# KiCad board KB-PCB-R02_KiCad.kicad_pcb (continued)
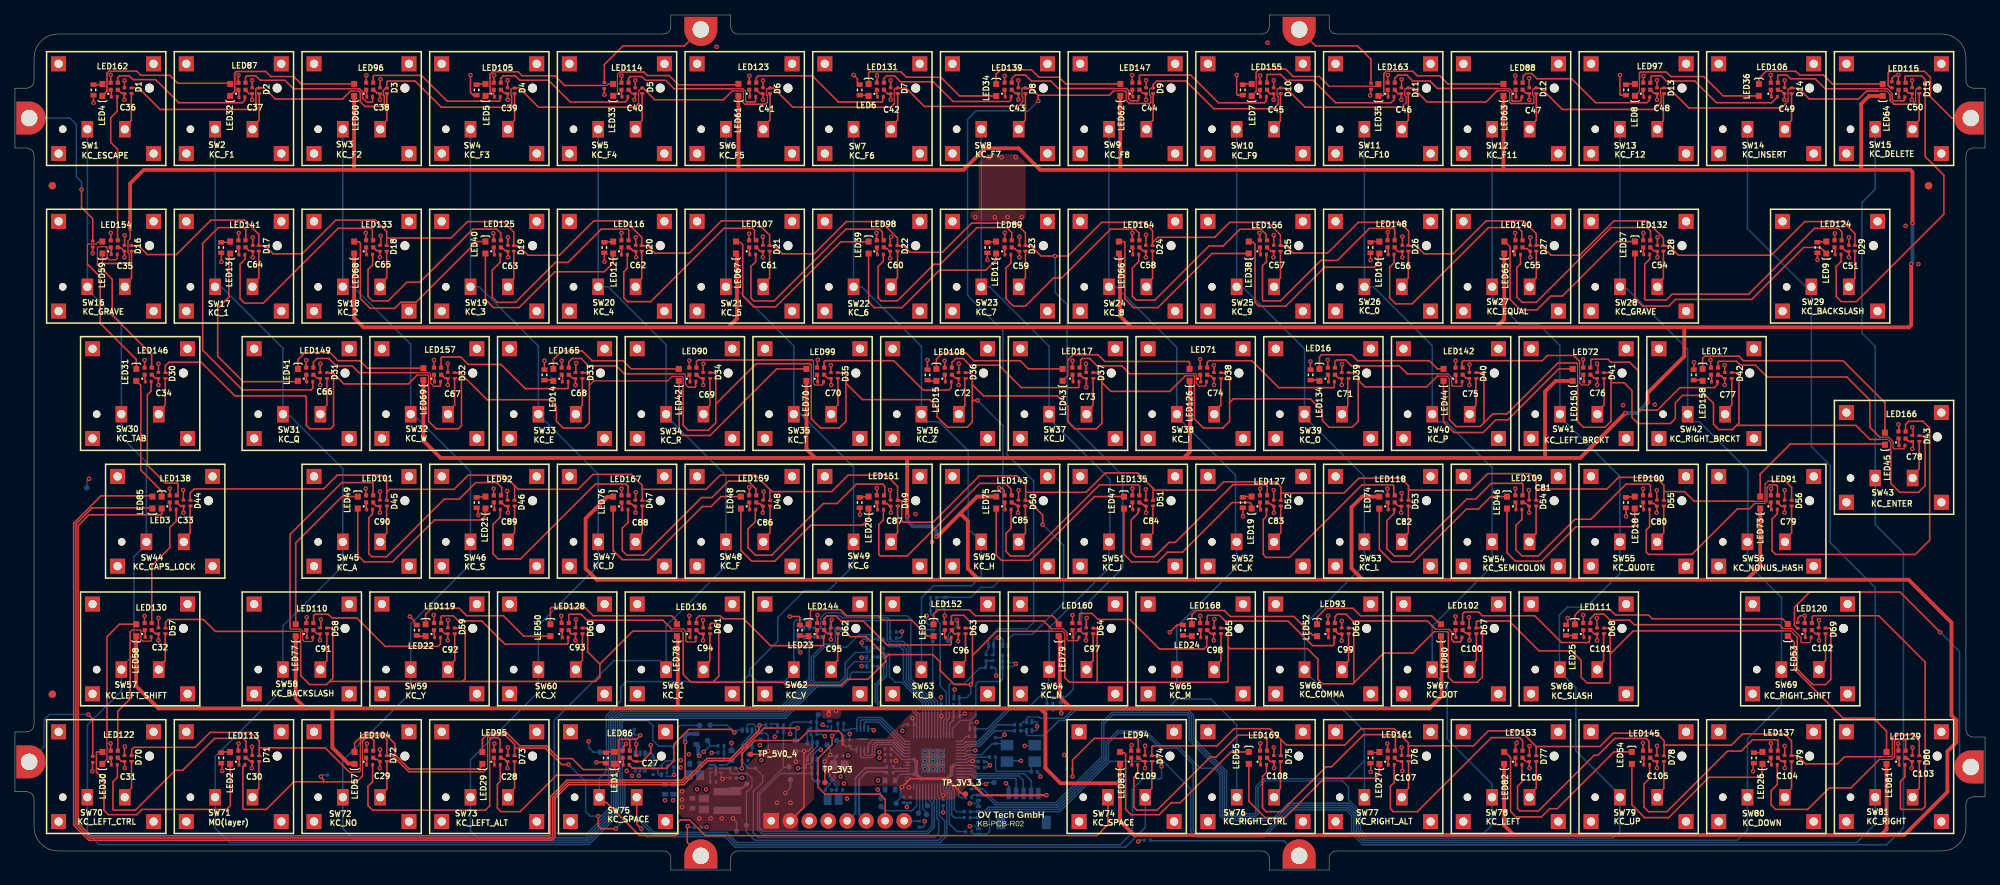
[diagram p0: board, top side]
## Routing (per net, layer and track width the routed paths; a pad name or vN(x,y) marks a point on that pad's centre or on a via; arc(x,y) is an arc through that point) (continued)
NetLED119_3: length 20.4
  SIG_TOP w0.2: 56.97,32.88 56.97,33.88 57.09,34 58.61,34 59.3,33.31 62.4,33.31 65.5,30.21 73.85,30.21 73.96,30.32 R97.2
NetLED120_1: length 1
  SIG_TOP w0.2: R90.1 239.38,32 LED120.1
NetLED120_3: length 47.5
  SIG_TOP w0.2: LED120.3 240.3,33.09 240.3,33.89 240.42,34.01 249.2,34.01 255.4,27.81 255.4,8.51 255,8.11 252.22,8.11 252.1,8.22 252.1,11.87 252.7,12.47 252.7,14.11
NetLED122_1: length 0.9
  SIG_TOP w0.2: 12.8,14.93 12.88,14.85 12.88,14.11
NetLED122_3: length 21.2
  SIG_TOP w0.15: 15.4,31.86 15.63,32.09 16.75,32.09 16.86,31.98 16.86,30.85 17.11,30.61 18.13,30.61 18.25,30.73 18.25,31.04
  SIG_TOP w0.2: LED122.3 13.75,21.24 15.4,22.89 15.4,31.86
NetLED123_1: length 1
  SIG_TOP w0.2: LED123.1 98.25,104.25 R92.1
NetLED123_3: length 19.8
  SIG_TOP w0.2: LED123.3 99.12,105.93 99.39,106.21 106.6,106.21 110.1,102.71 115.91,102.71 116.03,102.82 116.03,103.34 R100.2
NetLED124_1: length 0.8
  SIG_TOP w0.2: 243.37,82.36 243.37,83.09 243.3,83.16
NetLED124_3: length 38
  SIG_TOP w0.2: R101.2 218.57,81.68 217.9,81.01 217.9,76.35 218.02,76.24 220.8,76.24 221.57,77.01 231.8,77.01 240.6,85.81 243.8,85.81 244.25,85.35 244.25,84.15
NetLED125_1: length 1
  SIG_TOP w0.2: 63.87,83.22 63.87,83.21 ; LED125.1 64.06,83.22 64.06,82.33 R94.1
NetLED125_3: length 29
  SIG_TOP w0.2: R102.2 47.82,80.93 47.2,80.31 47.2,76.71 47.8,76.11 49.9,76.11 52.4,78.61 54.13,78.61 61.23,85.71 64.4,85.71 64.97,85.14 LED125.3
NetLED126_1: length 1
  SIG_TOP w0.2: LED126.1 158.54,66.15 R95.1
NetLED126_3: length 20
  SIG_TOP w0.2: R103.2 176.4,64.62 176.29,64.51 168.97,64.51 165.37,68.11 159.6,68.11 159.41,67.92 LED126.3
NetLED127_1: length 0.8
  SIG_TOP w0.2: 166.48,49.04 166.48,49.04 166.48,48.24 166.47,48.24
NetLED127_3: length 30
  SIG_TOP w0.2: 167.43,49.99 167.43,51.42 167.31,51.53 162.85,51.53 155.12,43.81 154.3,43.81 152.4,41.91 149.8,41.91 149.23,42.47 149.23,46.79 150.19,47.74 150.19,48.1 150.26,48.17
NetLED128_1: length 1
  SIG_TOP w0.2: R97.1 73.17,32 LED128.1
NetLED128_3: length 20.9
  SIG_TOP w0.15: R105.2 91.04,30.62 90.92,30.51 89.81,30.51 89.69,30.62 89.69,31.91 89.36,32.25 87.78,32.25
  SIG_TOP w0.2: 87.78,32.25 86.63,33.41 76.5,33.41 75.7,34.21 74.16,34.21 74.04,34.09 LED128.3
NetLED129_1: length 0.7
  SIG_TOP w0.2: 251.91,14.11 251.91,14.77
NetLED129_3: length 30.5
  SIG_TOP w0.15: 251.3,17.34 251.3,15.14 250.95,14.79 249.29,14.79
  SIG_TOP w0.2: 251.3,17.34 251.42,17.46 252.66,17.46 252.78,17.34 252.78,15.99 ; R106.2 235.63,11.44 234.8,10.61 234.8,8.71 235.4,8.11 239.7,8.11 242.58,10.99 245.48,10.99 249.29,14.79
NetLED130_1: length 1
  SIG_TOP w0.2: R99.1 17.42,32 LED130.1
NetLED130_3: length 16.5
  SIG_TOP w0.2: LED130.3 18.29,40.69 20.7,43.11 20.7,45.81 21.56,46.66 R107.2
NetLED131_1: length 0.9
  SIG_TOP w0.2: R100.1 115.24,103.49 115.24,104.27
NetLED131_3: length 19.7
  SIG_TOP w0.2: 116.19,105.22 116.19,105.86 116.54,106.21 117.6,106.21 118.4,105.41 122.78,105.41 125.41,102.77 132.96,102.77 133.17,102.98 133.17,103.39 R108.2
NetLED132_1: length 1
  SIG_TOP w0.2: R101.1 217.74,82.36 217.74,83.22 LED132.1
NetLED132_3: length 29.6
  SIG_TOP w0.2: 218.68,84.18 218.68,85.43 218.2,85.91 213.4,85.91 203.4,75.91 201.52,75.91 200.8,76.63 200.8,80.56 201.29,81.06 R109.2
NetLED133_1: length 1
  SIG_TOP w0.2: LED133.1 46.95,82.39 R102.1
NetLED133_3: length 29.9
  SIG_TOP w0.2: 47.79,84.03 47.79,85.61 47.6,85.81 43.2,85.81 33.2,75.81 30.7,75.81 30.1,76.41 30.1,81.01 30.78,81.69 30.78,82.25
NetLED134_1: length 1
  SIG_TOP w0.2: 175.7,65.31 175.67,65.35 175.67,66.19 175.63,66.23
NetLED134_3: length 20.5
  SIG_TOP w0.15: 190.2,66.34 191.59,66.34 192.09,65.84 192.09,64.81 192.21,64.7 193.37,64.7 193.48,64.81 R111.2
  SIG_TOP w0.2: LED134.3 176.48,67.99 176.7,68.21 177.9,68.21 178.7,67.41 185.1,67.41 186.16,66.34 190.2,66.34
NetLED135_1: length 0.9
  SIG_TOP w0.2: 149.43,49.03 149.43,48.22 149.47,48.17
NetLED135_3: length 29.4
  SIG_TOP w0.2: R112.2 133.18,45.69 132.5,45.01 132.5,42.61 133.1,42.01 135.5,42.01 145,51.51 150.2,51.51 150.37,51.33 150.37,49.98
NetLED136_1: length 1
  SIG_TOP w0.2: 90.32,31.11 90.32,31.93 LED136.1
NetLED136_3: length 20.5
  SIG_TOP w0.2: LED136.3 91.12,33.62 91.5,34.01 94.3,34.01 94.7,33.61 97.41,33.61 101.01,30.01 107.99,30.01 108.11,30.12 R113.2
NetLED137_1: length 0.8
  SIG_TOP w0.2: 234.79,14.02 234.8,14.03 234.8,14.79 234.8,14.8
NetLED137_3: length 29.6
  SIG_TOP w0.2: R114.2 218.56,12.26 217.8,11.51 217.8,8.41 218.4,7.81 220.88,7.81 228.98,15.91 230.8,15.91 232.31,17.41 235.68,17.41 235.71,17.39 LED137.3
NetLED138_1: length 1
  SIG_TOP w0.2: R107.1 20.77,49.08 LED138.1
NetLED138_3: length 18.1
  SIG_TOP w0.2: LED138.3 21.8,50.27 21.8,51.62 21.68,51.74 20.1,51.74 17.7,54.14 17.7,63.54 18.21,64.05 R115.2
NetLED139_1: length 0.9
  SIG_TOP w0.2: R108.1 132.4,104.16 132.33,104.23 132.24,104.23
NetLED139_3: length 20.3
  SIG_TOP w0.15: 147.02,104.5 148.65,104.5
  SIG_TOP w0.2: 148.65,104.5 148.91,104.24 148.91,103.12 149.17,102.86 150.12,102.86 150.23,102.98 150.23,103.38 R116.2 ; 147.02,104.5 139.5,104.5 138.5,105.51 135.9,105.51 135.1,106.31 133.75,106.31 133.27,105.82 LED139.3
NetLED140_1: length 0.8
  SIG_TOP w0.2: 200.53,83.13 200.52,83.12 200.52,82.32 R109.1
NetLED140_3: length 29.8
  SIG_TOP w0.2: 201.47,84.08 201.47,85.39 200.96,85.91 197,85.91 186.8,75.71 184.6,75.71 183.8,76.51 183.8,80.61 184.39,81.19 R117.2
NetLED141_1: length 1
  SIG_TOP w0.2: LED141.1 29.91,83.22 29.91,82.32 R110.1
NetLED141_3: length 40.5
  SIG_TOP w0.2: 30.87,84.08 30.87,85.63 30.6,85.91 27.2,85.91 25.1,83.81 25.1,69.51 30.4,64.21 39.58,64.21 39.82,64.44 R118.2
NetLED142_1: length 0.9
  SIG_TOP w0.2: R111.1 192.69,66.05 192.62,66.13 192.58,66.13
NetLED142_3: length 21.9
  SIG_TOP w0.15: R119.2 210.46,65.21 210.46,64.95 210.37,64.86 209.49,64.86 209.2,65.16 209.2,67.79
  SIG_TOP w0.2: 193.47,67.08 193.47,67.92 193.66,68.11 204.2,68.11 204.9,68.81 208.4,68.81 209.2,68.01 209.2,67.79
NetLED143_1: length 0.9
  SIG_TOP w0.2: R112.1 132.39,48.95 132.32,49.03
NetLED143_3: length 29.3
  SIG_TOP w0.2: R120.2 116.11,46.82 115.5,46.21 115.5,42.21 115.7,42.01 119.3,42.01 129,51.71 132.41,51.71 133.17,50.94 133.17,49.98
NetLED144_1: length 0.9
  SIG_TOP w0.2: 107.23,32.03 107.23,31.3 107.33,31.19 107.33,31.14
NetLED144_3: length 20.3
  SIG_TOP w0.2: R121.2 125.18,30.22 125.07,30.11 116.6,30.11 113.4,33.31 110.44,33.31 109.74,34.01 108.57,34.01 108.17,33.61 108.17,32.98
NetLED145_1: length 1
  SIG_TOP w0.2: LED145.1 217.77,14.93 R114.1
NetLED145_3: length 29.3
  SIG_TOP w0.2: R122.2 201.48,11.79 200.9,11.21 200.9,8.21 201.2,7.91 203.7,7.91 211.15,15.36 211.65,15.36 213.9,17.61 218.1,17.61 218.47,17.23 218.47,15.88
NetLED146_1: length 0.9
  SIG_TOP w0.2: 17.33,66.13 17.33,66.13 17.4,66.05 17.4,65.31
NetLED146_3: length 24
  SIG_TOP w0.15: 13.67,82.31 13.67,81.78 13.5,81.61 12.59,81.61 12.33,81.86 12.33,83.22 12.21,83.34 11.13,83.34 11.02,83.22 11.02,80.99
  SIG_TOP w0.2: 18.27,67.08 18.27,68.93 13,74.21 13,79.01 11.02,80.99
NetLED147_1: length 0.8
  SIG_TOP w0.2: 149.47,103.51 149.39,103.58 149.39,104.23
NetLED147_3: length 20.1
  SIG_TOP w0.2: R124.2 167.32,102.87 167.05,102.6 160.91,102.6 157.2,106.31 150.46,106.31 150.35,106.19 150.35,105.25
NetLED148_1: length 1
  SIG_TOP w0.2: 183.5,82.31 183.52,82.32 ; R117.1 183.6,83.18 LED148.1
NetLED148_3: length 29.7
  SIG_TOP w0.2: R125.2 167.32,81.33 166.8,80.81 166.8,76.22 166.92,76.11 169.2,76.11 174.61,81.52 176.81,81.52 181.1,85.81 184.36,85.81 184.47,85.69 184.47,84.08
NetLED149_1: length 1
  SIG_TOP w0.2: 38.95,65.21 LED149.1
NetLED149_3: length 20.7
  SIG_TOP w0.15: 53.7,66.51 55.37,66.51 55.57,66.3 55.57,65.12 56,64.69
  SIG_TOP w0.2: 56,64.69 56.77,64.69 56.89,64.81 R126.2 ; 53.7,66.51 46,66.51 45.1,67.41 42.95,67.41 41.95,68.41 40.4,68.41 39.9,67.9 LED149.3
NetLED150_1: length 1
  SIG_TOP w0.2: LED150.1 209.77,66.15 R119.1
NetLED150_3: length 25.7
  SIG_TOP w0.2: R127.2 227.59,65.26 227.59,64.89 227.2,64.51 222.6,64.51 219.6,61.51 217.19,61.51 217.07,61.62 217.07,66.73 215.9,67.91 213.4,67.91 213,68.31 210.81,68.31 210.7,68.19 210.7,67.1
NetLED151_1: length 0.9
  SIG_TOP w0.2: 115.35,48.18 115.31,48.21 115.31,49.02 115.28,49.05
NetLED151_3: length 29.6
  SIG_TOP w0.2: 116.23,50 116.3,50.07 116.3,51.31 116.01,51.61 112.5,51.61 109.9,49.01 108.08,49.01 101.18,42.11 99,42.11 98,43.11 98,45.61 98.99,46.6 98.99,48.21
NetLED152_1: length 1
  SIG_TOP w0.2: R121.1 124.32,31.18 LED152.1
NetLED152_3: length 20.3
  SIG_TOP w0.15: 142.25,31.03 142.16,30.94 142.16,30.75 142.07,30.67 140.83,30.67 140.65,30.85 140.65,31.76 140.15,32.27 138.57,32.27
  SIG_TOP w0.2: 125.2,32.97 125.2,33.94 125.32,34.06 126.85,34.06 127.6,33.31 137.53,33.31 138.57,32.27
NetLED153_1: length 0.7
  SIG_TOP w0.2: 200.63,14.93 200.63,14.93 200.63,14.19
NetLED153_3: length 29.7
  SIG_TOP w0.2: 201.57,15.88 201.57,17.33 201.2,17.71 197.4,17.71 187.5,7.81 184.3,7.81 183.9,8.21 183.9,11.21 184.39,11.7 184.39,14.11
NetLED154_1: length 1
  SIG_TOP w0.2: 12.88,82.31 12.88,83.18 LED154.1
NetLED154_3: length 20
  SIG_TOP w0.2: 13.71,84.14 13.71,96.39 12.8,97.31 12.8,100.61 13.67,101.48 R131.2
NetLED155_1: length 0.9
  SIG_TOP w0.2: 166.43,104.23 166.47,104.19 166.47,103.45 166.5,103.41
NetLED155_3: length 20.3
  SIG_TOP w0.2: 167.37,105.18 167.37,106.26 167.49,106.38 169.22,106.38 170,105.61 173.57,105.61 176.57,102.61 184,102.61 184.38,102.98 184.38,103.4 R132.2
NetLED156_1: length 1
  SIG_TOP w0.2: LED156.1 166.53,83.18 R125.1
NetLED156_3: length 29.2
  SIG_TOP w0.2: 167.27,84.08 167.27,85.01 166.59,85.69 163.79,85.69 161.55,83.46 159.65,83.46 152.4,76.21 149.9,76.21 149.4,76.71 149.4,80.51 150.25,81.36 150.25,82.3 R133.2
NetLED157_1: length 1
  SIG_TOP w0.2: R126.1 56.1,66.05 56.02,66.13 55.93,66.13
NetLED157_3: length 21
  SIG_TOP w0.2: LED157.3 56.97,68.49 57.09,68.61 59.6,68.61 60.6,67.61 65,67.61 68.23,64.37 73.85,64.37 73.96,64.49 R134.2
NetLED158_1: length 1
  SIG_TOP w0.2: R127.1 226.84,66.15 LED158.1
NetLED158_3: length 33.6
  SIG_TOP w0.15: 252.61,56.68 252.61,56.44 252.5,56.32 251.25,56.32 251.1,56.47 251.1,57.3 250.52,57.88 249.33,57.88
  SIG_TOP w0.2: 252.61,56.68 R135.2 ; LED158.3 227.71,67.92 227.83,68.03 230.17,68.03 230.7,67.51 232.7,67.51 234.28,65.93 244.92,65.93 248,62.85 248,59.21 249.33,57.88
NetLED159_1: length 0.8
  SIG_TOP w0.2: 98.17,49.03 98.2,49 98.2,48.21
NetLED159_3: length 29.5
  SIG_TOP w0.2: R136.2 81.96,46.47 81.2,45.71 81.2,42.71 81.8,42.11 84.1,42.11 91.8,49.81 93.2,49.81 95.4,52.01 98.03,52.01 99.07,50.96 99.07,49.98
NetLED160_1: length 1
  SIG_TOP w0.2: R129.1 141.47,32 LED160.1
NetLED160_3: length 21.5
  SIG_TOP w0.2: 159.34,31.07 159.34,29.91 158.99,29.56 153.02,29.56 149.07,33.51 144.8,33.51 144,34.31 142.45,34.31 142.34,34.19 LED160.3
NetLED161_1: length 0.8
  SIG_TOP w0.2: 183.63,14.93 183.62,14.92 183.62,14.12 183.6,14.11
NetLED161_3: length 30.4
  SIG_TOP w0.2: 184.57,15.88 184.57,17.99 184.46,18.11 180.32,18.11 176.02,13.81 175.3,13.81 169.3,7.81 167.3,7.81 166.8,8.31 166.8,12.52 167.34,13.06 R138.2
NetLED162_1: length 1
  SIG_TOP w0.2: R131.1 12.88,104.25 LED162.1
NetLED162_3: length 19.8
  SIG_TOP w0.2: R139.2 30.72,103.33 30.72,102.93 30.4,102.61 21.9,102.61 19.06,105.44 18.81,105.69 15.79,105.69 15.28,106.21 14,106.21 13.75,105.96 LED162.3
NetLED163_1: length 0.8
  SIG_TOP w0.2: 183.6,103.46 183.6,104.16 183.53,104.23 183.53,104.23
NetLED163_3: length 20.5
  SIG_TOP w0.15: 198.24,104.52 198.28,104.48 199.79,104.48 200.14,104.13 200.14,102.94
  SIG_TOP w0.2: 198.24,104.52 190.19,104.52 189.2,105.51 186.9,105.51 186.1,106.31 184.9,106.31 184.47,105.88 184.47,105.18 ; 200.14,102.94 200.27,102.81 201.25,102.81 201.41,102.97 201.41,103.32 201.46,103.37
NetLED164_1: length 1
  SIG_TOP w0.2: R133.1 149.47,83.18 LED164.1
NetLED164_3: length 29.8
  SIG_TOP w0.2: R141.2 133.15,81.16 132.5,80.51 132.5,76.41 133.5,75.41 135.1,75.41 138.9,79.21 140,79.21 146.5,85.71 149.76,85.71 150.3,85.16 150.3,84.22
NetLED165_1: length 1
  SIG_TOP w0.2: 73.2,65.31 73.2,66.12 LED165.1
NetLED165_3: length 20.8
  SIG_TOP w0.15: 90.03,64.57 89.65,64.95 89.65,66.15 89.46,66.34 87.89,66.34
  SIG_TOP w0.2: 91.02,65.25 91.02,64.69 90.9,64.57 90.03,64.57 ; 87.89,66.34 81.49,66.34 80.42,67.41 76.7,67.41 75.7,68.41 74.5,68.41 74.04,67.95 LED165.3
NetLED166_1: length 1
  SIG_TOP w0.2: 251.82,56.71 251.87,56.76 251.87,57.52 251.76,57.63 251.73,57.63
NetLED166_3: length 47.6
  SIG_TOP w0.2: LED166.3 252.78,59.59 253.2,60.01 255.1,60.01 256,59.11 256,44.11 254.1,42.21 235.4,42.21 234.93,42.68 234.93,46.93 235.63,47.64 235.63,48.22
NetLED167_1: length 0.7
  SIG_TOP w0.2: 81.21,48.42 81.16,48.42 81.16,48.96 81.1,49.03
NetLED167_3: length 30.3
  SIG_TOP w0.2: 81.97,49.98 81.97,51.33 81.7,51.61 77.6,51.61 67.6,41.61 64.6,41.61 63.91,42.29 63.91,46.22 64.89,47.2 64.89,48.21
NetLED168_1: length 1
  SIG_TOP w0.2: LED168.1 158.54,32 R137.1
NetLED168_3: length 20.7
  SIG_TOP w0.2: LED168.3 159.39,33.05 159.39,33.94 159.51,34.06 161.05,34.06 161.8,33.31 170.2,33.31 173.5,30.01 176.2,30.01 176.39,30.2 176.39,31.21
NetLED169_1: length 0.9
  SIG_TOP w0.2: 166.53,14.01 166.53,14.9
NetLED169_3: length 29.8
  SIG_TOP w0.2: R146.2 150.11,12.92 149.6,12.41 149.6,8.41 150,8.01 152.7,8.01 159.8,15.11 160.6,15.11 163.53,18.03 166.77,18.03 167.39,17.42 167.39,15.9
NetMP1_1: length 18.5
  SIG_TOP w0.2: v1(9.8,20.81) 10.4,20.21 R12.2
  SIG_BOTTOM w0.2: v1(9.8,20.81) 4.6,20.81 3.9,20.11 3.9,16.47 MP1.1
NetMP2_1: length 23.2
  SIG_TOP w0.2: v1(8.9,91.01) 8.9,88.59 10.4,87.09 R13.2
  SIG_BOTTOM w0.2: MP2.1 7.35,100.56 8.2,99.71 8.2,92.71 8.9,92.01 v1(8.9,91.01)
NetMP3_1: length 5.7
  SIG_TOP w0.2: 89.89,5.89 89.89,3.71 91.45,2.15 MP3.1
  SIG_BOTTOM w0.2: v1(89.95,5.88) 90.06,5.88 90.24,5.7 R14.2
NetMP4_1: length 20.8
  SIG_BOTTOM w0.2: MP4.1 169.7,3.91 151.88,3.91 151.79,4 R15.2
NetMP5_1: length 19.3
  SIG_TOP w0.2: MP5.1 89.51,110.21 81.3,110.21 78.8,107.71 R16.2
  SIG_BOTTOM w0.2: MP5.1 91.64,112.34 91.64,111 91.25,110.61 91.2,110.61
NetMP6_1: length 16
  SIG_TOP w0.2: MP6.1 173.89,110.21 179.5,110.21 181.31,108.4 R17.2
  SIG_BOTTOM w0.2: 170.6,111.3 MP6.1
NetMP7_1: length 46.7
  SIG_TOP w0.2: R18.2 238.31,32.33 237.92,32.72 237.92,35.12 239.97,37.17 252.03,37.17 v1(257.4,31.81)
  SIG_BOTTOM w0.2: MP7.1 260,15.29 260,29.21 v1(257.4,31.81) ; 261.5,14.04 MP7.1 260.96,13.79 260.39,13.21
NetMP8_1: length 19.3
  SIG_TOP w0.2: MP8.1 258.95,100.56 256.1,103.41 256.1,106.01 255.3,106.81 250.7,106.81 250.45,106.56 250.45,104.91 250.67,104.69 250.85,104.69 R19.2
  SIG_BOTTOM w0.2: 259.99,102.07 261.25,100.81 MP8.1
NetQ2_3: length 1.6
  SIG_BOTTOM w0.2: R64.2 85.32,15.09 85.32,15.44 85.15,15.61 84.32,15.61 84.21,15.71
NetQ3_1: length 1
  SIG_BOTTOM w0.2: R57.2 101.95,19.44 101.86,19.53 101.79,19.53 101.74,19.57 Q3.1
NetQ4_1: length 0.8
  SIG_BOTTOM w0.2: 87.24,13.71 87.22,13.68 87.22,13 87.19,12.97 Q4.1
NetQ4_3: length 2.5
  SIG_BOTTOM w0.2: R64.1 R63.1 85.36,13.53 85.76,13.53 85.96,13.32 85.96,12.87 86.08,12.75 Q4.3
NetR20_1: length 1.7
  SIG_BOTTOM w0.2: R20.1 109.17,10.69 109.85,10.69 109.87,10.66 109.87,11.2 109.73,11.33 109.73,11.33 109.58,11.48 109.58,11.49
NetR50_1: length 44
  SIG_BOTTOM w0.2: U1.37 122.17,9.41 122.6,8.97 122.6,5.85 121.92,5.17 99.99,5.17 99.6,5.56 99.6,10.16 102.35,12.9 R50.1 106.53,12.27 106.87,11.93 107.29,11.93 TP_LEDW-CTRL.TP ; R53.2 106.51,13.69 106.51,12.94
NetR50_2: length 1.9
  SIG_BOTTOM w0.2: U7.1 107.29,14.77 107.29,12.94 R50.2
NetR51_1: length 2.2
  SIG_BOTTOM w0.2: 105.95,17.13 105.95,18.73 106.07,18.85 106.31,18.85 106.4,18.94 R51.1
NetR51_2: length 4.4
  SIG_BOTTOM w0.2: 107.19,19.79 107.19,18.92 107.28,18.83 107.33,18.83 107.43,18.73 109.02,18.73 109.14,18.84 U4.1 ; TP_LED-W_ON.TP 107.4,20.66 107.19,20.45 R52.2
NetR55_2: length 46.5
  SIG_BOTTOM w0.2: U1.34 123.37,9.84 123.6,9.61 123.6,7.31 124.3,6.61 124.3,4.81 123.47,3.97 98.93,3.97 97.8,5.11 TP_W-LED-P_ON.TP 97.8,10.41 98.55,11.15 98.55,12.26 97.9,12.91 95.83,12.91 95.6,13.13 95.6,13.58 ; U5.7 94.42,13.58 95.58,13.58
NetR56_2: length 2.3
  SIG_BOTTOM w0.2: U5.5 94.57,14.56 94.79,14.78 R58.2 R56.2
NetR57_1: length 46
  SIG_BOTTOM w0.2: U1.36 122.57,9.54 122.9,9.21 122.9,5.73 122.04,4.87 99.87,4.87 99.3,5.44 99.3,10.28 102.74,13.72 102.82,13.72 ; 102.74,13.73 R59.2 R57.1 ; 102.82,13.72 103.42,13.72 TP_CAPS_CTRL.TP ; 102.82,13.72 102.82,13.73
NetR60_1: length 1.5
  SIG_BOTTOM w0.2: 97.99,15.41 97.99,15.46 98.08,15.55 98.43,15.55 98.55,15.66 U6.1
NetR60_2: length 44.4
  SIG_BOTTOM w0.2: U1.35 122.97,9.64 123.26,9.34 123.26,6.94 123.5,6.71 123.5,4.91 122.95,4.36 99.35,4.36 98.7,5.01 98.7,10.51 100,11.81 100,12.61 TP_RGB_CTRL.TP 98.1,13.61 97.29,14.41 97.29,14.58 R168.2 ; 97.2,14.67 97.2,15.41
NetR65_1: length 83.5
  SIG_BOTTOM w0.2: 87.72,16.56 88.22,16.56 88.58,16.92 88.58,19 88.93,19.34 TP_RGB_P_CRTL.TP ; 87.72,16.56 86.05,16.56 85.3,17.31 85.3,19.28 84.58,20.01 81.37,20.01 81.17,19.81 81.17,12.38 81.56,11.99 81.56,8.02 82.56,7.02 83.46,7.02 85.42,5.05 95.16,5.05 96.54,3.67 123.67,3.67 124.61,4.62 124.61,10.23 124.17,10.67 U1.32 ; 87.72,16.56 88.1,16.18 R66.2 86.99,14.6 86.54,14.16 86.54,14 R65.1
NetR147_2: length 14.1
  SIG_BOTTOM w0.2: U1.2 120.57,19.15 120.57,20.72 119.72,21.57 115.96,21.57 115,22.52 115,24.85 116.14,25.99 R147.2
NetR148_2: length 15.6
  SIG_BOTTOM w0.2: U1.3 120.97,20.74 119.84,21.87 116.09,21.87 115.3,22.65 115.3,24.72 116.53,25.95 116.53,28.03 116.14,28.42 R148.2
NetR149_2: length 14.5
  SIG_BOTTOM w0.2: R149.2 116.14,29.16 116.38,28.93 116.81,28.93 116.93,28.81 116.93,25.9 117.72,25.11 118.58,25.11 121.37,22.32 U1.4
NetR150_2: length 16
  SIG_BOTTOM w0.2: R150.2 116.22,30.8 116.22,30.49 116.83,29.87 118.33,29.87 118.8,29.41 118.8,25.31 121.77,22.34 U1.5
NetR151_2: length 25
  SIG_BOTTOM w0.2: U1.6 122.17,22.37 119.2,25.34 119.2,29.51 118.5,30.21 117.1,30.21 116.6,30.71 116.6,33.25 116.48,33.37 111.36,33.37 111.24,33.24 R151.2
NetR152_2: length 30.9
  SIG_BOTTOM w0.2: R152.2 107.73,33.73 108.4,34.41 110.5,34.41 110.9,34.01 119.32,34.01 119.8,33.54 119.8,25.59 122.97,22.41 U1.8
NetR153_2: length 12.8
  SIG_BOTTOM w0.2: R153.2 122.71,23.2 123.37,22.54 U1.9
NetR154_2: length 1.7
  SIG_BOTTOM w0.2: 127.6,17.91 R154.2 127.6,17.9 127.23,17.9 126.54,17.21 U1.15
NetR155_2: length 8.7
  SIG_BOTTOM w0.2: R155.2 131.39,19.42 128.81,16.84 127.26,16.84 126.84,16.41 U1.17
NetR156_2: length 8.5
  SIG_BOTTOM w0.2: 133.66,18.61 131,18.61 128.94,16.54 127.39,16.54 126.87,16.01 U1.18
NetR157_2: length 2.2
  SIG_BOTTOM w0.2: R157.2 127.82,11.66 127.82,11.99 127.39,12.41 U1.27
NetR158_2: length 3.1
  SIG_BOTTOM w0.2: U1.28 126.2,9.9 126.42,9.69 127.12,9.69
NetR159_2: length 4.6
  SIG_BOTTOM w0.2: U1.29 125.37,10.84 125.6,10.61 125.6,8.11 125.9,7.81 R159.2
NetR160_2: length 5.8
  SIG_BOTTOM w0.2: R160.2 125.6,7.01 125.23,7.37 125.23,10.47 124.97,10.74 U1.30
NetR161_2: length 7.8
  SIG_BOTTOM w0.2: R161.2 125.97,5.14 124.93,6.17 124.93,10.35 124.57,10.71 U1.31
NetTP_IO26_TP: length 2.7
  SIG_BOTTOM w0.2: TP_IO26.TP 122,8.76 121.77,8.99 U1.38
NetTP_IO27_TP: length 4
  SIG_BOTTOM w0.2: U1.39 121.37,8.19 121.78,7.77 121.78,7.51 TP_IO27.TP
NetTP_IO28_TP: length 3.6
  SIG_BOTTOM w0.2: U1.40 120.97,7.92 120.8,7.76 TP_IO28.TP
NetTP_IO29_TP: length 7.9
  SIG_BOTTOM w0.2: TP_IO29.TP 116.37,7.94 119.93,7.94 120.57,8.57 U1.41
NetU6_3: length 2.7
  SIG_BOTTOM w0.2: U6.6 98.52,18.67 98.52,18.22 97.28,16.99 97.28,16.54 U6.3
NetU7_3: length 2.8
  SIG_BOTTOM w0.2: U7.3 105.93,14.83 105.93,15.21 107.23,16.51 107.23,16.99 U7.6
QSPI_SCLK: length 8.5
  SIG_BOTTOM w0.2: U1.52 118.82,15.61 117.38,17.06 115.02,17.06 114.62,16.67 114.62,15.48 114.5,15.36 113.67,15.36 113.55,15.48 U3.6
QSPI_SD0: length 6.7
  SIG_BOTTOM w0.2: U3.5 114.07,16.14 114.07,16.79 114.65,17.36 117.5,17.36 118.85,16.01 U1.53
QSPI_SD1: length 8.4
  SIG_BOTTOM w0.2: 118.99,16.81 118.94,16.81 115.66,20.09 113.17,20.09 113.05,19.97 U3.2
QSPI_SD2: length 8
  SIG_BOTTOM w0.2: U1.54 118.87,16.41 115.5,19.79 113.7,19.79 113.55,19.64 U3.3
QSPI_SD3: length 9.2
  SIG_BOTTOM w0.2: U1.51 118.8,15.21 117.25,16.76 115.23,16.76 114.94,16.48 114.94,15.38 114.58,15.02 113.29,15.02 113.05,15.26 U3.7
QSPI_SS: length 12.2
  SIG_BOTTOM w0.2: R11.2 110.79,19.57 R10.2 111.49,18.7 111.69,18.9 U3.1 112.55,20.11 112.83,20.39 115.82,20.39 118.99,17.21 U1.56
RGB-DATA: length 22.8
  SIG_TOP w0.2: R61.1 82.11,14.03 82.54,13.61 87.1,13.61 88.1,14.61 88.1,16.81 90.09,18.81 95.75,18.81 96.15,18.41 v1(96.2,18.41)
  SIG_BOTTOM w0.2: TP_RGB_DATA.TP 95.22,19.39 v1(96.2,18.41) 96.31,18.41 96.61,18.71 U6.4
RGB-LED-POWER: length 288.4
  SIG_TOP w0.2: LED118.2 184.96,48.69 185.35,48.69 C82.1 ; LED156.2 167.89,82.78 168.24,82.78 168.28,82.74 168.28,81.93 ; 201.57,104.34 202.05,103.85 202.42,103.85 C47.1 v1(202.46,103.01) ; 151.09,14.5 151.09,13.64 v1(151.09,13.64) ; v1(65.9,47.78) 65.9,48.5 66.03,48.63 66.03,48.68 65.53,48.68 65.08,49.14 ; v1(185.33,47.78) 185.35,47.81 185.35,48.57 ; 236.58,103.79 236.58,103.03 v1(236.57,103.01) ; C99.1 176.93,31.59 176.66,31.85 176.66,31.91 LED93.2 ; 82.03,104.29 82.09,104.29 82.21,104.16 82.21,104.11 82.51,103.82 82.92,103.82 C40.1 82.93,103.04 ; C79.1 236.12,48.66 235.89,48.89 235.89,48.94 235.71,49.12 235.66,49.12 ; LED144.2 108.66,31.62 109.05,31.62 C95.1 109.09,31.58 109.09,30.82 v1(109.09,30.82) ; C105.1 219.5,14.54 219.11,14.54 LED145.2 ; v1(151.23,103.01) 151.23,103.72 ; LED137.2 236.18,14.55 236.57,14.55 C104.1 ; LED127.2 167.56,49.01 167.84,49.01 168.1,48.75 168.22,48.75 C83.1 ; LED99.2 108.66,65.76 109.05,65.76 C70.1 ; C68.1 74.94,65.73 74.94,64.86 v1(74.94,64.86) ; 168.29,14.48 168.34,14.44 168.34,13.66 v1(168.36,13.64) ; 13.88,104.24 13.88,104.21 13.93,104.16 13.95,104.16 14.25,103.87 14.53,103.87 14.58,103.81 ; 65.9,82.72 65.79,82.83 65.54,82.83 65.27,83.09 64.95,83.09 64.82,83.22 ; C88.1 82.85,48.75 82.65,48.75 82.41,48.99 82.22,48.99 LED167.2 ; v1(219.6,81.93) C54.1 219.53,82.81 219.11,82.81 LED132.2 ; v1(143.18,30.71) 143.21,30.74 143.21,31.56 C97.1 143.2,31.62 142.81,31.62 LED160.2 ; 22.53,47.79 C33.1 22.5,48.69 22.11,48.69 21.64,49.16 ; v1(241.21,30.71) 241.17,30.74 241.17,31.59 241.2,31.61 240.71,31.61 240.42,31.9 240.42,31.91 240.3,32.04 240.28,32.04 ; C44.1 151.19,103.85 150.82,103.85 LED147.2 ; 202.54,14.58 202.47,14.52 202.47,13.65 v1(202.49,13.64) ; LED108.2 125.74,65.76 126.13,65.76 C72.1 ; LED116.2 82.21,83.09 82.34,83.09 82.55,82.89 82.55,82.89 82.62,82.82 82.92,82.82 C62.1 83.03,82.71 83.03,81.96 v1(83.06,81.93) ; 48.74,103.8 48.66,103.88 48.41,103.88 48.2,104.09 48.19,104.09 48.13,104.16 47.85,104.16 47.78,104.24 ; C91.1 40.76,31.62 40.37,31.62 LED110.2 ; v1(194.48,30.71) 194.47,30.72 194.47,31.5 194.37,31.59 ; 65.86,103.21 C39.1 65.75,103.81 65.75,103.83 65.72,103.85 65.45,103.85 LED105.2 ; 184.48,83.14 184.9,82.71 185.5,82.71 v1(185.5,81.93) ; 160.39,31.61 160.27,31.5 v1(160.27,30.71) ; 160.39,31.61 160.4,31.61 ; 160.39,31.61 159.87,31.61 159.59,31.9 159.59,31.91 159.43,32.07 159.41,32.07 ; LED119.2 57.44,31.62 57.94,31.62 57.87,31.54 57.87,30.71 v1(57.86,30.71) ; LED100.2 218.75,49.04 219.09,49.04 219.48,48.66 C80.1 219.51,48.64 219.51,47.8 v1(219.49,47.78) ; 117.11,48.62 117.1,48.61 117.1,47.79 v1(117.11,47.78) ; 210.68,32.04 211.11,31.6 211.47,31.6 211.53,31.55 211.53,30.71 v1(211.52,30.71) ; LED149.2 40.32,65.81 40.71,65.81 40.8,65.72 40.8,64.86 v1(40.81,64.86) ; 253.8,56.32 253.8,56.32 253.8,57.31 C78.1 253.17,57.31 LED166.2 ; v1(109.13,64.86) 109.11,64.88 109.11,65.8 ; LED141.2 31.26,82.83 31.71,82.83 C64.1 31.8,82.74 v1(31.8,81.93) ; LED130.2 18.76,31.62 19.15,31.62 C32.1 v1(19.18,30.71) ; 228.6,65.73 228.6,64.86 v1(228.6,64.86) ; LED140.2 201.73,83.11 202.18,83.11 202.46,82.83 202.52,82.83 202.57,82.78 ; 201.58,14.94 201.58,14.93 201.74,14.76 201.75,14.76 202,14.51 C106.1 ; 218.65,104.34 219.13,103.85 219.46,103.85 ; LED143.2 133.44,48.99 133.66,48.99 133.89,48.75 134.07,48.75 C85.1 ; v1(99.99,47.78) 100,47.8 100,48.57 100.09,48.66 100,48.75 99.82,48.75 99.58,48.99 99.12,48.99 99.08,49.04 ; 75.07,65.63 74.93,65.78 74.53,65.78 74.25,66.06 74.22,66.06 74.18,66.1 74.18,66.14 ; 185.36,103.2 185.36,103.8 185.35,103.81 184.9,103.81 184.64,104.07 184.64,104.16 184.57,104.24 184.48,104.24 ; 65.93,14.51 65.84,14.42 v1(65.84,13.64) ; v1(134.11,47.78) 134.13,47.81 134.13,48.6 ; v1(185.51,13.23) 185.51,14.52 ; v1(117.08,103.01) 117.08,103.72 117.02,103.78 116.98,103.78 116.94,103.82 116.66,103.82 116.36,104.11 116.36,104.16 116.24,104.28 116.19,104.28 ; 14.6,81.93 14.65,81.98 C35.1 14.6,82.74 14.51,82.83 14.51,82.88 14.21,83.17 13.84,83.17 LED154.2 ; LED102.2 193.97,31.68 194.36,31.68 C100.1 ; 228.6,65.73 228.51,65.82 228.43,65.82 228.15,66.1 227.85,66.1 LED158.2 ; v1(236.64,13.65) 236.64,14.46 ; v1(14.68,13.64) 14.67,13.65 14.67,14.49 C31.1 14.61,14.54 14.22,14.54 LED122.2 ; 40.86,31.62 40.77,31.53 v1(40.77,30.73) ; v1(245.2,81.93) C51.1 244.77,82.74 244.38,83.14 ; 56.88,66.14 56.95,66.06 57.19,66.06 57.47,65.78 57.81,65.78 C67.1 ; 168.39,48.66 168.32,48.59 168.32,47.8 v1(168.33,47.78) ; 253.74,14.52 253.63,14.42 253.63,13.68 v1(253.59,13.64) ; 30.95,104.18 30.99,104.18 31,104.16 31,104.13 31.29,103.83 31.58,103.83 31.61,103.8 31.64,103.8 31.72,103.72 v1(31.72,103.01) ; v1(160.31,64.86) C74.1 160.22,65.82 160.14,65.82 159.86,66.1 159.54,66.1 LED126.2 ; LED86.2 82.67,14.54 83.06,14.54 C27.1 83.84,14.51 85,15.67 v1(85,16.71) ; v1(219.54,103.01) C48.1 ; C28.1 65.78,14.6 65.66,14.6 65.4,14.86 65.12,14.86 LED95.2 ; v1(151.2,81.93) C58.1 151.14,82.8 150.81,82.8 LED164.2 ; 143.25,64.56 143.25,65.71 143.17,65.79 142.84,65.79 142.61,66.03 ; v1(117,81.8) 117,81.8 117,82.76 116.93,82.76 116.58,83.11 116.34,83.11 LED98.2 ; C76.1 211.48,65.79 211.13,65.79 210.86,66.06 210.81,66.06 LED150.2 ; v1(134.16,103.01) C43.1 134.12,103.85 133.75,103.85 LED139.2 ; 126.16,65.78 126.16,64.86 v1(126.17,64.86) ; LED94.2 150.37,14.84 150.45,14.84 150.71,14.59 151.01,14.59 C109.1 ; v1(91.99,30.71) 92,30.72 92,31.56 91.96,31.6 91.59,31.6 91.29,31.9 91.29,31.91 91.13,32.08 91.12,32.08 ; v1(168.29,103.01) C45.1 167.8,103.81 167.38,104.24 ; 185.5,14.6 184.83,14.6 184.67,14.76 184.67,14.85 184.58,14.94 ; v1(253.62,103.01) 253.62,103.77 ; v1(57.87,64.86) 57.87,65.64 57.88,65.64 ; v1(202.6,81.93) C55.1 ; 91.28,66.14 91.28,66.08 91.29,66.06 91.35,66.06 91.62,65.79 91.99,65.79 92.08,65.7 ; 168.35,14.52 167.84,14.52 167.42,14.94 ; 14.61,103.79 14.61,103.04 v1(14.65,103.01) ; v1(48.8,47.79) 48.8,48.67 48.27,48.67 47.9,49.04 ; v1(82.97,47.78) 82.97,48.52 ; v1(74.94,30.71) C93.1 74.34,31.59 74.22,31.7 74.22,31.91 74.2,31.94 73.98,31.94 ; 177.38,65.73 177.39,65.74 177.35,65.78 176.94,65.78 LED134.2 ; v1(48.8,81.93) C65.1 48.71,82.83 48.34,82.83 LED133.2 ; v1(100.01,103.01) C41.1 99.91,103.81 99.91,103.82 99.87,103.85 99.6,103.85 LED123.2 ; v1(19.18,64.86) 19.18,64.86 C34.1 19.15,65.76 18.76,65.76 18.39,66.14 ; v1(48.8,103.01) C38.1 ; 235.61,104.24 235.64,104.21 236.16,104.21 236.55,103.81 ; 236.62,48.66 236.59,48.63 236.59,47.79 v1(236.58,47.78) ; C87.1 117,48.75 116.86,48.75 116.61,49 116.35,49 LED151.2 ; 177.42,31.6 177.42,30.7 v1(177.38,30.66) ; 100,81.93 C61.1 99.95,82.79 99.6,82.79 LED107.2 ; v1(194.47,64.86) 194.46,64.86 194.46,65.67 194.47,65.68 ; 211.56,64.86 211.56,65.77 ; LED104.2 48.13,14.79 48.49,14.79 48.65,14.62 48.65,14.6 48.76,14.49 48.78,14.49 48.78,13.65 v1(48.76,13.64) ; 219.53,48.75 219.63,48.75 ; 177.38,64.87 C71.1 ; C84.1 151.14,48.75 150.94,48.75 150.7,48.99 150.51,48.99 LED135.2 ; 194.5,65.71 194.43,65.78 194.02,65.78 193.66,66.14 ; 252.77,104.34 252.94,104.16 252.94,104.1 253.16,103.88 253.53,103.88 253.64,103.77 ; v1(92.01,64.86) C69.1 ; LED129.2 252.96,14.84 253.17,14.84 253.41,14.6 253.59,14.6 C103.1 ; v1(202.46,47.78) 202.45,47.79 202.45,48.62 202.33,48.75 202.29,48.75 202.01,49.04 201.68,49.04 LED109.2 ; v1(151.23,47.78) 151.23,48.61 ; v1(31.69,13.64) 31.71,13.65 31.71,14.44 31.75,14.48 31.63,14.6 31.36,14.6 31.12,14.84 31,14.84 LED113.2 ; 125.18,32 125.36,32 125.44,31.91 125.44,31.73 125.59,31.59 C96.1 ; v1(219.53,13.64) 219.53,13.64 219.53,14.48 ; v1(134.3,81.93) C59.1 134.21,82.83 133.96,82.83 133.68,83.1 133.31,83.1 133.28,83.14 ; 126.11,30.61 126.11,31.43 ; 65.91,81.93 65.91,82.78
  PWR w0.2: 115.17,33.63 111.91,33.63 v1(109.09,30.82) ; 176.8,66.91 176.8,65.25 176.94,65.1 177.04,65.1 177.29,64.86 v1(177.39,64.86) ; v1(185.51,13.23) 185.94,13.66 202.46,13.66 v1(202.49,13.64) ; 126.04,30.65 v1(126.1,30.59) ; v1(236.57,103.01) v1(253.62,103.01) ; v1(168.33,47.78) 166.82,47.78 163.8,50.81 158.6,50.81 155.58,47.78 v1(151.23,47.78) ; v1(143.18,30.71) 143.73,31.26 151.15,31.26 152.9,33.01 158.15,33.01 159.17,31.99 159.17,31.81 v1(160.27,30.71) ; v1(31.69,13.64) 33,12.33 33,12.31
  PWR w0.5: v1(236.58,47.78) 237.73,46.63 245.3,46.63 250.32,51.65 250.32,52.83 253.8,56.32 ; v1(236.64,13.65) 252.19,13.65 252.55,13.29 253.22,13.29 253.56,13.64 v1(253.59,13.64)
  SIG_BOTTOM w0.2: v1(76.7,17.21) 76.7,16.41 77.35,15.76 TP_RGB_P.TP
  vias: v1(14.65,81.93) v1(22.53,47.78) v1(65.86,103.01) v1(65.94,81.93) v1(81.8,13.25) v1(82.5,12.61) v1(82.81,103.01) v1(83.4,12.61) v1(100,81.93) v1(143.23,64.56) v1(168.26,81.93) v1(185.36,103.01) v1(211.53,64.86) v1(253.68,56.32)
